# Altium PCB FINAL_PCB_FUNCTION_GEN.PcbDoc
Units mm, origin at the board's own origin, x right, y up, seen from the top; angles counter-clockwise.
Board outline 145.29 x 54.48 mm, 2 copper layers (Top Layer, Bottom Layer); 70 components, 54 nets, 222 pads, 15 vias.
Unrouted connection lines stored in the file: 1.
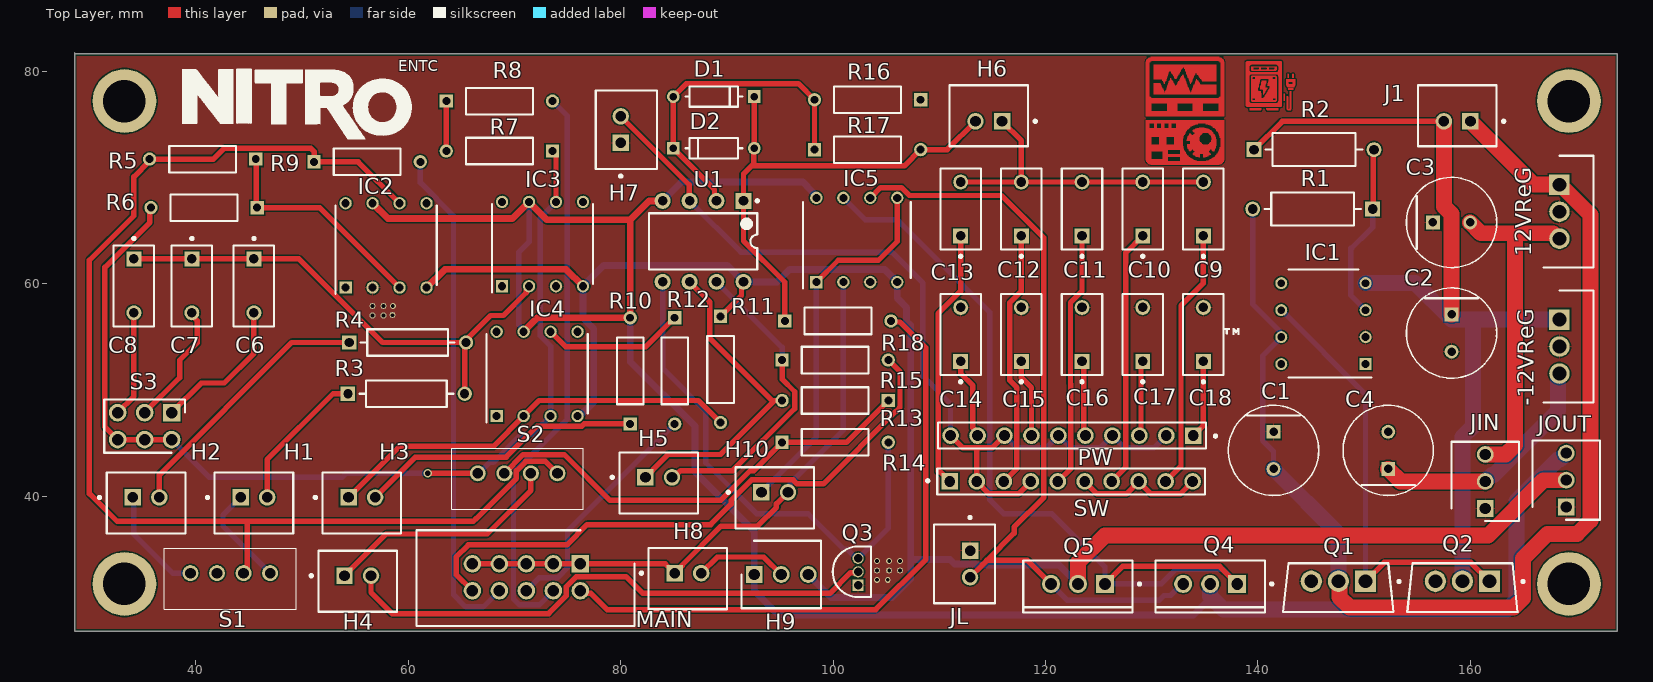
[diagram p0: Top Layer view]
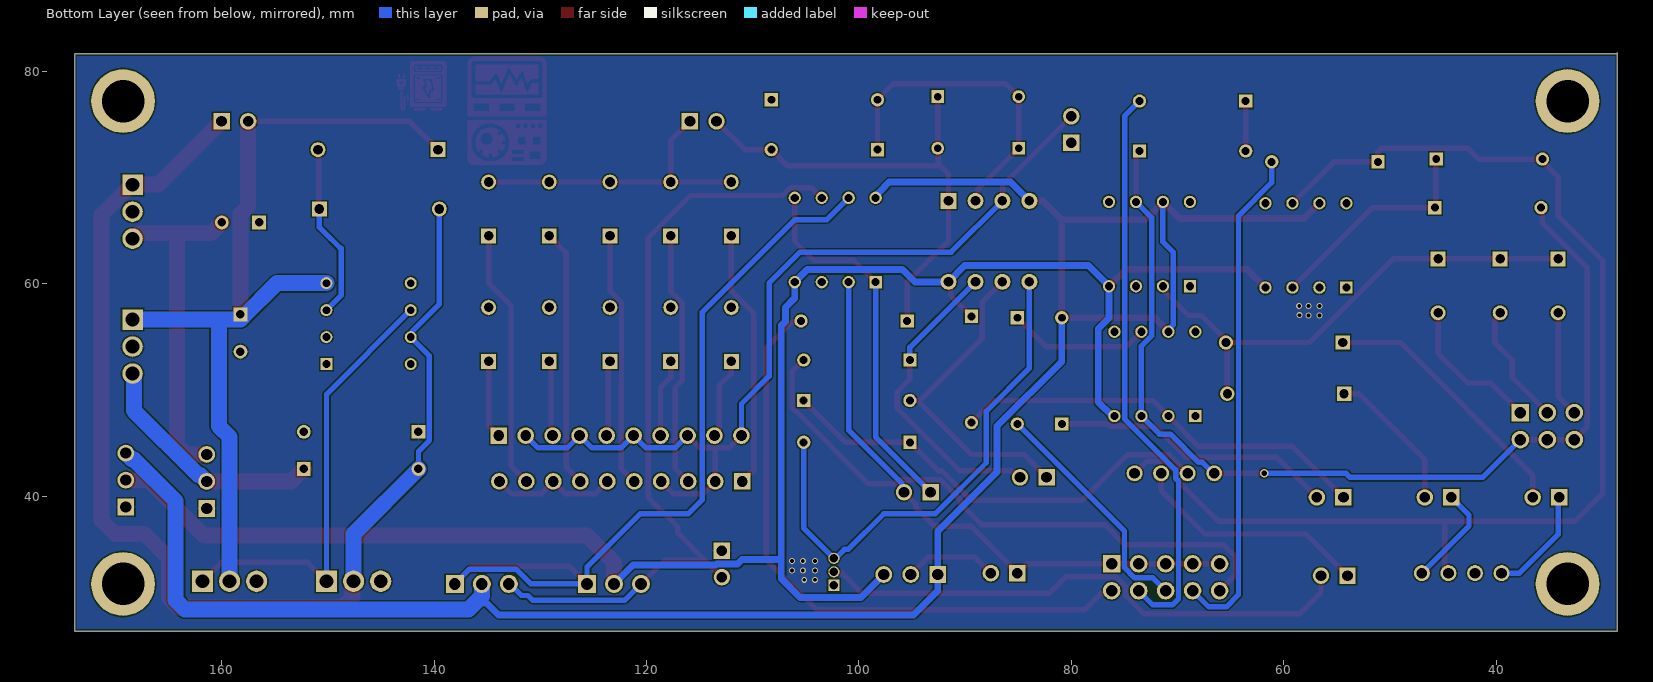
[diagram p1: Bottom Layer view, seen from below]
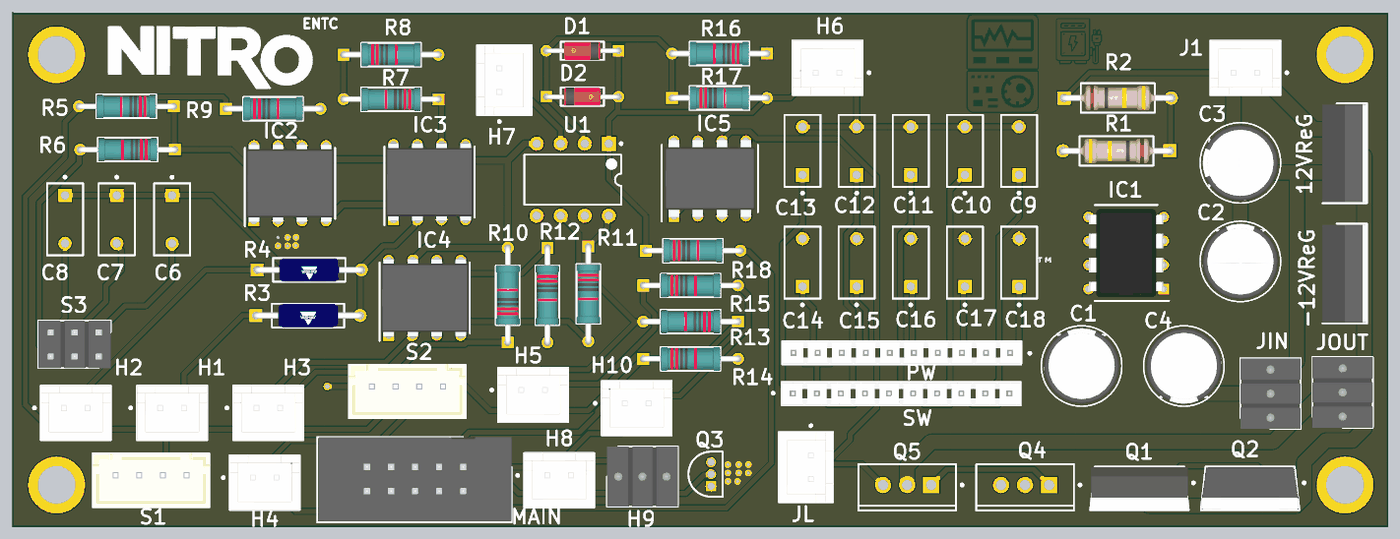
[diagram p2: 3D render of the assembled board from above, using the file's embedded part models]

## Layer stack, top to bottom
Top Solder: solder mask 0.0102, Solder Resist, Dk 3.5
Top Layer: signal copper 0.0356
Dielectric 1: dielectric 0.32, FR-4, Dk 4.8
Bottom Layer: signal copper 0.0356
Bottom Solder: solder mask 0.0102, Solder Resist, Dk 3.5

## Board outline
28.575,81.788 28.702,81.661 173.863,81.661 173.863,27.305 28.575,27.305

## Design rules (kind name [scope] priority, off if disabled: settings)
BoardOutlineClearance [All] p1: gap=0.2 ignorepadtopadclearanceinfootprint=FALSE
Clearance [All] p1: gap=0.127 ignorepadtopadclearanceinfootprint=FALSE except(0.25: Arc-Hole Track-Hole SMDPad-Hole THPad-Hole Via-Hole Fill-Hole Poly-Hole Region-Hole Text-Hole)
ComponentClearance [All] p1: gap=0.127 collisioncheckmode=3 verticalgap=0.127 showdistances=TRUE
DiffPairsRouting [All] p1: maxlimit=0.254 minlimit=0.127 mostfreqgap=0.127 toplayer_minwidth=0.127 toplayer_maxwidth=25.4 toplayer_prefwidth=0.127 bottomlayer_minwidth=0.127 bottomlayer_maxwidth=25.4 bottomlayer_prefwidth=0.127 maxuncoupledlength=12.7
Height [All] p1: minheight=0 maxheight=1816.048 prefheight=12.7
HoleSize [All] p1: absolutevalues=TRUE maxlimit=6.3 minlimit=0.3 maxpercent=80.000 minpercent=20.000
HoleToHoleClearance [All] p1: gap=0.25 allowstackedmicrovias=FALSE
MinimumAnnularRing [All] p1: minimumring=0.076
MinimumSolderMaskSliver [All] p1: minsoldermaskwidth=0
PlaneClearance [All] p1: clearance=0.127
PlaneConnect PlaneConnectPowerPads [InPadClass('PowerPads')] p1: planeconnectstyle=Direct reliefexpansion=0.508 reliefentries=4 reliefconductorwidth=0.254 reliefairgap=0.254
PlaneConnect [All] p2: pad.planeconnectstyle=Relief pad.reliefexpansion=0.3 pad.reliefentries=4 pad.reliefconductorwidth=0.127 pad.reliefairgap=0.127 via.planeconnectstyle=Direct via.reliefexpansion=0.3 via.reliefentries=4 via.reliefconductorwidth=0.127 via.reliefairgap=0.127
PolygonConnect PolygonConnectPowerPads [All vs (InPadClass('PowerPads'))] p1: connectstyle=Direct reliefconductorwidth=0.254 reliefentries=4 polygonreliefangle="90 Angle" airgapwidth=0.254
PolygonConnect [All] p2: thpad.connectstyle=Relief thpad.reliefconductorwidth=0.127 thpad.reliefentries=4 thpad.polygonreliefangle="90 Angle" thpad.airgapwidth=0.127 smdpad.connectstyle=Relief smdpad.reliefconductorwidth=0.127 smdpad.reliefentries=4 smdpad.polygonreliefangle="90 Angle" smdpad.airgapwidth=0.127 via.connectstyle=Direct via.reliefconductorwidth=0.127 via.reliefentries=4 via.polygonreliefangle="90 Angle" via.airgapwidth=0.127
RoutingVias [All] p1: holewidth=0.3 width=0.6 viastyle="Through Hole" minholewidth=0.3 minwidth=0.6 maxholewidth=0.6 maxwidth=6.6
SilkToSilkClearance [All] p1: silktosilkclearance=0
SilkToSolderMaskClearance [IsPad] p1: minsilkscreentomaskgap=0.127 clearancetoexposedcopper=TRUE
SolderMaskExpansion [All] p1: expansion=0.075 istentingtop=FALSE
Width [All] p1: maxlimit=1.5 minlimit=0.305 preferedwidth=0.508 minimp=50.000000 maximp=50.000000 favimp=50.000000
20 further rules are at their usual default settings.

## Components (designator, comment, footprint, x,y, rotation, side; value= is the part's Value field where it differs from the comment)
12VReG "LM7812CT" TO254P470X1028X1955-3P 168.402,69.342 r270 top
-12VReG "LM7812CT" TO254P470X1028X1955-3P 168.402,56.642 r270 top (schematic designator -12VReg)
C1 "EEUFR1E391L" FP-RAD-TH-D_8_0_5-L_15_1-MFG 141.478,44.323 r270 top
C2 "EEUFR1E391L" FP-RAD-TH-D_8_0_5-L_15_1-MFG 158.242,55.372 r270 top
C3 "EEUFR1E391L" FP-RAD-TH-D_8_0_5-L_15_1-MFG 158.242,65.786 r0 top
C4 "EEUFR1E391L" FP-RAD-TH-D_8_0_5-L_15_1-MFG 152.273,44.323 r90 top
C6 "1uF" KEMT-C333C105M5U5TA-2 45.466,59.817 r270 top
C7 "0.1uF" KEMT-C333C105M5U5TA-2 39.624,59.817 r270 top
C8 "0.01uF" KEMT-C333C105M5U5TA-2 34.163,59.817 r270 top
C9 "10uF" KEMT-C333C105M5U5TA-2 134.874,67.056 r90 top
C10 "1uF" KEMT-C333C105M5U5TA-2 129.159,67.056 r90 top
C11 "100nF" KEMT-C333C105M5U5TA-2 123.444,67.056 r90 top
C12 "10nF" KEMT-C333C105M5U5TA-2 117.729,67.056 r90 top
C13 "1nF" KEMT-C333C105M5U5TA-2 112.014,67.056 r90 top
C14 "10uF" KEMT-C333C105M5U5TA-2 112.014,55.245 r90 top
C15 "1uF" KEMT-C333C105M5U5TA-2 117.729,55.245 r90 top
C16 "100nF" KEMT-C333C105M5U5TA-2 123.444,55.245 r90 top
C17 "10nF" KEMT-C333C105M5U5TA-2 129.159,55.245 r90 top
C18 "1nF" KEMT-C333C105M5U5TA-2 134.874,55.245 r90 top
D1 "1N4148" FP-017AG-MFG 88.773,77.638 r180 top
D2 "1N4148" FP-017AG-MFG 88.773,72.771 r0 top
H1 "LOAD" FP-B2B-XH-A_LF_SN-MFG 45.466,39.37 r0 top
H2 "LOAD" FP-B2B-XH-A_LF_SN-MFG 35.306,39.37 r0 top
H3 "LOAD" FP-B2B-XH-A_LF_SN-MFG 55.626,39.37 r0 top
H4 "LOAD" FP-B2B-XH-A_LF_SN-MFG 55.245,32.004 r0 top
H5 "LOAD" FP-B2B-XH-A_LF_SN-MFG 83.586,41.258 r0 top
H6 "LOAD" FP-B2B-XH-A_LF_SN-MFG 114.661,75.836 r180 top
H7 "LOAD" FP-B2B-XH-A_LF_SN-MFG 80.535,74.529 r90 top
H8 "LOAD" FP-B2B-XH-A_LF_SN-MFG 86.327,32.241 r0 top
H9 "0022232031" HDRV3W87P0X254_1X3_747X635X1105P 92.583,32.639 r0 top (schematic designator JIN?)
H10 "LOAD" FP-B2B-XH-A_LF_SN-MFG 94.508,39.861 r0 top
IC1 "TL071CP" DIP794W53P254L959H508Q8N 146.177,56.261 r180 top
IC2 "AD711JN" DIP794W56P254L928H457Q8N 57.912,63.627 r90 top
IC3 "AD711JN" DIP794W56P254L928H457Q8N 72.644,63.754 r90 top
IC4 "AD711JN" DIP794W56P254L928H457Q8N 72.136,51.529 r90 top
IC5 "AD712JNZ" DIP794W56P254L959H533Q8N 102.235,64.135 r90 top
J1 "Source" FP-B2B-XH-A_LF_SN-MFG 158.77,75.836 r180 top
JIN "0022232031" HDRV3W87P0X254_1X3_747X635X1105P 161.417,38.862 r90 top
JL "LOAD" FP-B2B-XH-A_LF_SN-MFG 112.378,33.635 r270 top
JOUT "0022232031" HDRV3W87P0X254_1X3_747X635X1105P 169.037,38.989 r90 top
MAIN "61201021621" SHDR10W64P254_2X5_2036X885X925P 76.2,33.649 r180 top (schematic designator \MAIN)
PW "in 1" FP-4-644456-0-MFG 122.494,45.72 r0 top
Q1 "TIP31C" FP-TO-220-P0A0015988-MFG 147.584,31.397 r270 top
Q2 "TIP32C" FP-TO-220-P0A0015988-MFG 159.268,31.397 r270 top
Q3 "SAWTOOTH" FAIR-TO-92 102.362,31.623 r90 top
Q4 "TIP31A" ONSC-TO-220-3-221A-09 135.509,31.75 r270 top
Q5 "TIP32A" ONSC-TO-220-3-221A-09 123.063,31.75 r270 top
R1 "100K" FP-RR01-MFG 145.161,67.056 r180 top
R2 "100K" FP-RR01-MFG 145.288,72.644 r0 top
R3 "150ohm" FP-RLR07-MFG 59.817,49.657 r0 top
R4 "10K" FP-RLR07-MFG 59.944,54.483 r0 top
R5 "1K" FP-MBB0207-MFG 40.64,71.755 r180 top
R6 "150OHM" FP-MBB0207-MFG 40.767,67.183 r180 top
R7 "6.8K" FP-MBB0207-MFG 68.58,72.517 r180 top
R8 "10K" FP-MBB0207-MFG 68.58,77.216 r0 top
R9 "10K" FP-MBB0207-MFG 56.134,71.501 r0 top
R10 "10K" FP-MBB0207-MFG 80.899,51.816 r90 top
R11 "10K" FP-MBB0207-MFG 89.408,51.943 r270 top
R12 "68Kohm" FP-MBB0207-MFG 85.09,51.816 r270 top
R13 "10K" FP-MBB0207-MFG 100.203,49.022 r180 top
R14 "10K" FP-MBB0207-MFG 100.203,45.085 r0 top
R15 "10k" FP-MBB0207-MFG 100.203,52.832 r0 top
R16 "5K" FP-MBB0207-MFG 103.251,77.343 r180 top
R17 "10K" FP-MBB0207-MFG 103.251,72.644 r0 top
R18 "0.5K" FP-MBB0207-MFG 100.457,56.515 r0 top
S1 "B4B-XH-A_LF__SN_" B4BXHALFSN 46.99,32.766 r180 top
S2 "B4B-XH-A_LF__SN_" B4BXHALFSN 74.048,42.164 r180 top
S3 "HTSW-103-07-T-D" HDRV6W64P254_2X3_762X502X838P 37.719,47.879 r180 top
SW "in2" FP-4-644456-0-MFG 122.428,41.402 r180 top
U1 "TL072CP" P0008A 87.757,64.008 r270 top

## Footprints (in the part's own frame and the unit in brackets; to place one, negate y for a bottom-side part, rotate by r counter-clockwise, add the part's x,y. Pads: shape width x height; smd on the part's side, far side on the other; paste and mask are expansions set on the pad)
B4BXHALFSN [mm]
  round 1.5 hole 1: 1(0,0) 2(2.5,0) 3(5,0) 4(7.5,0)
  silkscreen extent -2.45,-2.35 9.95,3.4, body extent -2.45,-2.35 9.95,3.4, height 7.52
DIP794W53P254L959H508Q8N [mm]
  rect 1.13x1.13 hole 0.73: 1(-3.97,3.81)
  round 1.13 hole 0.73: 2(-3.97,1.27) 3(-3.97,-1.27) 4(-3.97,-3.81) 5(3.97,-3.81) 6(3.97,-1.27) 7(3.97,1.27) 8(3.97,3.81)
  silkscreen extent -4.54,-5.08 3.3,5.08, body extent -4.1,-4.64 4.1,4.64, height 4.21
DIP794W56P254L928H457Q8N [mm]
  rect 1.16x1.16 hole 0.76: 1(-3.97,3.81)
  round 1.16 hole 0.76: 2(-3.97,1.27) 3(-3.97,-1.27) 4(-3.97,-3.81) 5(3.97,-3.81) 6(3.97,-1.27) 7(3.97,1.27) 8(3.97,3.81)
  silkscreen extent -4.55,-4.76 3.74,4.76, body extent -4.11,-4.64 4.11,4.64, height 4.57
DIP794W56P254L959H533Q8N [mm]
  rect 1.16x1.16 hole 0.76: 1(-3.97,3.81)
  round 1.16 hole 0.76: 2(-3.97,1.27) 3(-3.97,-1.27) 4(-3.97,-3.81) 5(3.97,-3.81) 6(3.97,-1.27) 7(3.97,1.27) 8(3.97,3.81)
  silkscreen extent -4.55,-5.08 3.55,5.08, body extent -4.11,-4.79 4.11,4.79, height 5.33
FAIR-TO-92 [mm] "TO, 3-Leads, Body Dia 4.79mm, Pitch 1.27mm"
  rect 1.05x1.05 hole 0.8 mask+0.05: 1(0,0)
  round 1.05 hole 0.8 mask+0.05: 2(1.27,0) 3(2.54,0)
  silkscreen extent -1.11,-1.21 3.65,2.4, body extent -1.11,-1.21 3.65,2.4, height 5.33
FP-4-644456-0-MFG [mil]
  rect 61.65x61.65 hole 40 paste-39370.1 mask+0: 1(450,0)
  round 61.65 hole 40 paste-39370.1 mask+0: 2(350,0) 3(250,0) 4(150,0) 5(50,0) 6(-50,0) 7(-150,0) 8(-250,0) 9(-350,0) 10(-450,0)
  silkscreen extent -497,-48 537,48, body extent -500,-52 500,52, height 10
FP-017AG-MFG [mm]
  rect 1.2x1.2 hole 0.7 paste-1000 mask+0: 1(-3.813,0)
  round 1.2 hole 0.7 paste-1000 mask+0: 2(3.813,0)
  silkscreen extent -2.68,-0.95 2.68,0.95, body extent -4.51,-1.05 4.51,1.05, height 0.25
FP-B2B-XH-A_LF_SN-MFG [mm]
  rect 1.55x1.55 hole 1 paste-1000 mask+0: 1(-1.25,0.525)
  round 1.55 hole 1 paste-1000 mask+0: 2(1.25,0.525)
  silkscreen extent -4.5,-2.88 3.7,2.87, body extent -3.8,-2.98 3.8,2.98, height 0.25
FP-MBB0207-MFG [mm]
  rect 1.25x1.25 hole 0.75 paste-1000 mask+0: 1(-5,0)
  round 1.25 hole 0.75 paste-1000 mask+0: 2(5,0)
  silkscreen extent -3.15,-1.25 3.15,1.25, body extent -5.72,-1.35 5.72,1.35, height 0.25
FP-RAD-TH-D_8_0_5-L_15_1-MFG [mm]
  rect 1.3x1.3 hole 0.8 paste-1000 mask+0: 1(-1.75,0)
  round 1.3 hole 0.8 paste-1000 mask+0: 2(1.75,0)
  silkscreen extent -4.25,-4.25 4.25,4.25, body extent -4.35,-4.35 4.35,4.35, height 0.25
FP-RLR07-MFG [mm]
  rect 1.35x1.35 hole 0.85 paste-1000 mask+0: 1(-5.5,0)
  round 1.35 hole 0.85 paste-1000 mask+0: 2(5.5,0)
  silkscreen extent -4.42,-1.25 4.42,1.25, body extent -6.27,-1.35 6.27,1.35, height 0.25
FP-RR01-MFG [mm]
  rect 1.4x1.4 hole 0.9 paste-1000 mask+0: 1(-5.65,0)
  round 1.4 hole 0.9 paste-1000 mask+0: 2(5.65,0)
  silkscreen extent -4.55,-1.55 4.55,1.55, body extent -6.45,-1.65 6.45,1.65, height 0.25
FP-TO-220-P0A0015988-MFG [mm]
  rect 2x2 hole 1.3 paste-1000 mask+0: 1(-0.607,2.55)
  round 2 hole 1.3 paste-1000 mask+0: 2(-0.607,0) 3(-0.607,-2.55)
  silkscreen extent -2.3,-5.2 2.3,5.82, body extent -2.4,-5.3 2.4,5.3, height 0.25
HDRV3W87P0X254_1X3_747X635X1105P [mm]
  rect 1.575x1.575 hole 1.05: 1(0,0)
  round 1.575 hole 1.05: 2(2.54,0) 3(5.08,0)
  silkscreen extent -1.19,-3.17 6.27,3.17, body extent -1.19,-3.17 6.27,3.17, height 11.05
HDRV6W64P254_2X3_762X502X838P [mm]
  rect 1.65x1.65 hole 1.1: 1(0,0)
  round 1.65 hole 1.1: 2(0,2.54) 3(2.54,0) 4(2.54,2.54) 5(5.08,0) 6(5.08,2.54)
  silkscreen extent -1.27,-1.24 6.35,3.78, body extent -1.27,-1.24 6.35,3.78, height 8.38
KEMT-C333C105M5U5TA-2 [mm] "TH, 2-Leads, Body 7.62x3.81mm"
  rect 1.4x1.4 hole 0.9: 1(-2.54,0)
  round 1.4 hole 0.9: 2(2.54,0)
  silkscreen extent -4.58,-1.91 3.81,1.91, body extent -3.81,-1.91 3.81,1.91, height 9.91
ONSC-TO-220-3-221A-09 [mm] "FM, 3-Leads, Body 10.3x4.85mm, Pitch 2.54mm"
  rect 1.7x1.7 hole 1.1: 1(0,2.54)
  round 1.7 hole 1.1: 2(0,0) 3(0,-2.54)
  silkscreen extent -2.21,-5.15 2.69,5.93, body extent -2.18,-5.15 2.67,5.15, height 19.85
P0008A [mm] "DIP, 8-Leads, Body 10.15x6.6mm, Pitch 2.54mm"
  rect 1.5x1.5 hole 0.9: 1(-3.81,3.81)
  round 1.5 hole 0.9: 2(-3.81,1.27) 3(-3.81,-1.27) 4(-3.81,-3.81) 5(3.81,-3.81) 6(3.81,-1.27) 7(3.81,1.27) 8(3.81,3.81)
  silkscreen extent -3.93,-5.1 2.65,5.24, body extent -3.95,-5.07 3.95,5.07, height 5.08
SHDR10W64P254_2X5_2036X885X925P [mm]
  rect 1.65x1.65 hole 1.1: 1(0,0)
  round 1.65 hole 1.1: 2(0,2.54) 3(2.54,0) 4(2.54,2.54) 5(5.08,0) 6(5.08,2.54) 7(7.62,0) 8(7.62,2.54) 9(10.16,0) 10(10.16,2.54)
  silkscreen extent -5.1,-3.15 15.41,5.84, body extent -5.1,-3.16 15.26,5.7, height 9.25
TO254P470X1028X1955-3P [mm]
  rect 1.935x1.935 hole 1.29: 1(0,0)
  round 1.935 hole 1.29: 2(2.54,0) 3(5.08,0)
  silkscreen extent -2.73,-1.5 7.81,3.2, body extent -2.6,-1.5 7.68,3.2, height 18.66

## Part data
12VReG -12VReG: "Integrated Circuit", Manufacturer_Name="Texas Instruments", Mouser Part Number=926-LM7812CT, Datasheet Link=http://www.ti.com/lit/ds/symlink/lm7800.pdf, Height=4.7mm, Manufacturer_Part_Number=LM7812CT, Mouser Price/Stock=https://www.mouser.co.uk/ProductDetail/Texas-Instruments/LM7812CT?qs=QbsRYf82W3EQj7KGft8TFg%3D%3D
C1 C2 C3 C4: library part CMP-05427-000460-1, "Aluminum Electrolytic Capacitors (Radial Lead Type) 390uF ±20% 25V", Capacitance=390uF, Case/Package=Radial, Dielectric Material=Aluminium, ESR (Equivalent Series Resistance)=41mR, Max Operating Temperature=105°C, Min Operating Temperature=-40°C, Package Quantity=200, Ripple Current=1.24A, Tolerance=20%, Voltage=25V, Construction=RADIAL, Diameter=8mm, Height=15mm, Height - Seated (Max)=0.65inch, Impedance=41mR, Lead Diameter=0.6mm, Lead Pitch=3.5mm, Length=15mm, Life (Hours)=8000Hour, Mount="Through Hole", Number of Pins=2, Packaging=Bulk, Radiation Hardening=No, REACH SVHC="No SVHC", Ripple Current (AC)=1.24A, RoHS Compliant=Yes, Series=FR, Termination=Radial, Voltage Rating=25V, Voltage Rating (DC)=25V
C6 C10 C15: library part CMP-2000-05174-1, "Multilayer Ceramic Capacitor / Axial and Radial Leaded, 1 uF, +/- 20%, 10 to 85 degC, 2-Pin THD, RoHS, Bulk", Case Height=3.81mm, Case Length=9.91mm, Case Style=ConformallyCoated, Case Width=7.62mm, Manufacturer=Kemet, Maximum Operating Temperature=+125C, Minimum Operating Temperature=-55C, Operating Temperature Range=-55Cto+125C, Temperature Coefficient / Code=Z5U, Tolerance=20%, Voltage Rating=50V, Brand=Kemet, Capacitance=1uF, Datasheet URL=http://www.farnell.com/datasheets/706880.pdf, Datasheet Version=Jul-09, Dimensions=7.62mmWx9.91mmLx3.81mmH, Dissipation Factor DF=4, Factory Pack Quantity=250, Lead Diameter=0.51mm, Lead Spacing=5.08mm, Lead Style=InsideBend, Manufacturer URL=http://www.kemet.com/, Packaging=Bulk, Product=GeneralTypeMLCCs, Product Category=MultilayerCeramicCapacitorsMLCC-Leaded, RoHS=Details, Series=C333, Termination Style=Radial, Type=RadialLeads, Voltage Rating DC=50V
C7 C8 C9 C11 C12 C13 C14 C16 C17 C18: library part CMP-2000-05174-1, "Multilayer Ceramic Capacitor / Axial and Radial Leaded, 1 uF, +/- 20%, 10 to 85 degC, 2-Pin THD, RoHS, Bulk", Capacitance=1uF, Case Height=3.81mm, Case Length=9.91mm, Case Style=ConformallyCoated, Case Width=7.62mm, Manufacturer=Kemet, Maximum Operating Temperature=+125C, Minimum Operating Temperature=-55C, Operating Temperature Range=-55Cto+125C, Temperature Coefficient / Code=Z5U, Tolerance=20%, Voltage Rating=50V, Brand=Kemet, Datasheet URL=http://www.farnell.com/datasheets/706880.pdf, Datasheet Version=Jul-09, Dimensions=7.62mmWx9.91mmLx3.81mmH, Dissipation Factor DF=4, Factory Pack Quantity=250, Lead Diameter=0.51mm, Lead Spacing=5.08mm, Lead Style=InsideBend, Manufacturer URL=http://www.kemet.com/, Packaging=Bulk, Product=GeneralTypeMLCCs, Product Category=MultilayerCeramicCapacitorsMLCC-Leaded, RoHS=Details, Series=C333, Termination Style=Radial, Type=RadialLeads, Voltage Rating DC=50V
D1 D2: library part CMP-07163-000046-1, "DIODE GEN PURP 100V 200MA DO35", Average Rectified Current=200mA, Capacitance=4pF, Case/Package=DO-35, Current=4A, Forward Current=300mA, Forward Voltage=1V, Max Forward Surge Current (Ifsm)=1A, Max Operating Temperature=175°C, Max Power Dissipation=500mW, Max Repetitive Reverse Voltage (Vrrm)=100V, Max Reverse Current=5uA, Min Operating Temperature=-65°C, Package Quantity=2000, Contact Plating=Tin, Current Rating=200mA, Diameter=1.91mm, Element Configuration=Single, Height=4.56mm, Lead Free="Lead Free", Length=4.56mm, Max Reverse Voltage (DC)=100V, Max Surge Current=4A, Mount="Through Hole", Number of Pins=2, Output Current=200mA, Outside Diameter=1.85mm, Packaging=Bulk, Peak Non-Repetitive Surge Current=4A, Polarity=Standard, Power Dissipation=500mW, Radiation Hardening=No, REACH SVHC="No SVHC", Recovery Time=4ns, Reverse Recovery Time=4ns, Reverse Voltage=100V, Series=-, Voltage=100V, Voltage Rating (DC)=100V, Weight=0.01lb, Width=1.91mm
H1 H2 H3 H4 H5 H6 H7 H8 H10 J1 JL: library part CMP-2000-05888-3, "CONN HEADER VERT 2POS 2.5MM", Color=Natural, Contact Resistance=20mR, Current Rating=3A, Housing Color=White, Insulation Resistance=1GR, Max Operating Temperature=85°C, Max Voltage Rating (AC)=250V, Min Operating Temperature=-25°C, Connector Type="Male Pin", Contact Material=Brass, Contact Plating=Tin, Contact Type="Male Pin", Depth=5.75mm, Fastening Type=Detent, Housing Material=Polyamide, Lead Free="Lead Free", Lead Pitch=2.5mm, Length=7.4mm, Max Current Rating=3A, Max Voltage Rating (DC)=250V, Mount="Through Hole", Number of Contacts=2, Number of Positions=2, Number of Rows=1, Orientation=Straight, Packaging=Bulk, Pitch=2.5mm, REACH SVHC="No SVHC", Series=XH, Termination=Solder, Voltage Rating=250V, Voltage Rating (AC)=250V, Wire/Cable Gauge=22AWG
H9 JIN JOUT: "Connector", Manufacturer_Name=Molex, Mouser Part Number=N/A, Arrow Part Number=0022232031, Arrow Price/Stock=https://www.arrow.com/en/products/0022232031/molex?region=europe, Datasheet Link=https://www.molex.com/pdm_docs/sd/022232031_sd.pdf, Height=11.05mm, Manufacturer_Part_Number=0022232031, Mouser Price/Stock=https://www.mouser.co.uk/ProductDetail/Molex/0022232031?qs=PBcRNPEHKsqLjUBIVcYwpw%3D%3D
IC1: "Integrated Circuit", Manufacturer_Name="Texas Instruments", Mouser Part Number=595-TL071CP, Arrow Part Number=TL071CP, Arrow Price/Stock=https://www.arrow.com/en/products/tl071cp/texas-instruments?region=nac, Datasheet Link=http://www.ti.com/lit/ds/symlink/tl071a.pdf, Height=5.08mm, Manufacturer_Part_Number=TL071CP, Mouser Price/Stock=https://www.mouser.co.uk/ProductDetail/Texas-Instruments/TL071CP?qs=3FVjRv9mUZ%2FN1XJT5coqUQ%3D%3D
IC2 IC3 IC4: "Integrated Circuit", Manufacturer_Name="Analog Devices", Datasheet Link=https://www.analog.com/media/en/technical-documentation/data-sheets/AD711.pdf, Height=4.57mm, Manufacturer_Part_Number=AD711JN
IC5: "Integrated Circuit", Manufacturer_Name="Analog Devices", Mouser Part Number=584-AD712JNZ, Arrow Part Number=AD712JNZ, Arrow Price/Stock=https://www.arrow.com/en/products/ad712jnz/analog-devices?region=nac, Datasheet Link=https://datasheet.datasheetarchive.com/originals/distributors/Datasheets-1/DSA-2049.pdf, Height=5.33mm, Manufacturer_Part_Number=AD712JNZ, Mouser Price/Stock=https://www.mouser.co.uk/ProductDetail/Analog-Devices/AD712JNZ?qs=NmRFExCfTkHkv4a3jawdPw%3D%3D
MAIN: "Connector", Manufacturer_Name="Wurth Elektronik", Mouser Part Number=710-61201021621, Datasheet Link=https://datasheet.datasheetarchive.com/originals/distributors/Datasheets_SAMA/ec2d1eaddfe1dc3d07279947380a13e2.pdf, Height=9.25mm, Manufacturer_Part_Number=61201021621, Mouser Price/Stock=https://www.mouser.co.uk/ProductDetail/Wurth-Elektronik/61201021621?qs=W%252B2sBeLta1a0dwX5pxbfXw%3D%3D
PW SW: library part CMP-03369-000038-1, "CONN HEADER VERT 10POS 2.54MM", Current Rating=5A, Manufacturer="TE Connectivity", Manufacturer Part Number=4-644456-0, Temperature="-55°C to +105°C", Temperature Range High=+105°C, Temperature Range Low=-55°C, Voltage Rating=250V, Automotive=No, Category=Conn, ComponentLink2Description=Datasheet, ComponentLink2URL=https://www.te.com/commerce/DocumentDelivery/DDEController?Action=showdoc&DocId=Data+Sheet%7F82056_MTA%7F0818%7Fpdf%7FEnglish%7FENG_DS_82056_MTA_0818.pdf%7F4-644456-0, Conn Gender=Male, Conn Orientation=Vertical, Contact Material=Tin, Device Class L1=Connectors, Device Class L2="Headers and Wire Housings", Device Class L3=unset, Digikey Description="CONN HEADER VERT 10POS 2.54MM", Footprint Url=https://www.te.com/commerce/DocumentDelivery/DDEController?Action=showdoc&DocId=Customer+Drawing%7F644456%7FD2%7Fpdf%7FEnglish%7FENG_CD_644456_D2.pdf%7F4-644456-0, Height=0.408inch, Lead Free=Yes, Mouser Description="Headers & Wire Housings NARROW FLT HDR 10P Straight Post", Number of Contacts=10, Number of Rows=1, Octopart=https://octopart.com/4-644456-0-te+connectivity-39514173, Package=4-644456-0, Pitch=2.54mm, RoHS=TRUE
Q1: library part CMP-12195-000001-1, "TRANS NPN 100V 3A TO-220", Collector Base Voltage=100V, Collector Emitter Saturation Voltage=1.2V, Emitter Base Voltage=5V, Manufacturer=STMicroelectronics, Max Collector Current=3A, Max Junction Temp=+150°C, Package=TO-220-P0A0015988, Power Dissipation=2W, Temperature="to +150°C", Automotive=No, Category=Trans, Collector Emitter Voltage=100V, ComponentLink2Description=Datasheet, ComponentLink2URL=https://www.st.com/resource/en/datasheet/tip31c.pdf, Device Class L1="Discrete Semiconductors", Device Class L2=Transistors, Device Class L3=BJTs, Digikey Description="TRANS NPN 100V 3A TO-220", Height=19.68mm, Hfe Max=50, Hfe Min=10, Hfe Testic=3A, Hfe Testvce=4V, Lead Free=Yes, Manufacturer Part Number=TIP31C, Mouser Description="Bipolar Transistors - BJT NPN Gen Pur Power", Number Of Elements=1, Number Of Npn=1, Octopart=https://octopart.com/tip31c-stmicroelectronics-15555, RoHS=TRUE, Standoff Height=3.5mm, Temperature Range High=+150°C
Q2: library part CMP-12195-000005-1, "TRANS PNP 100V 3A TO-220", Collector Base Voltage=-100V, Collector Emitter Saturation Voltage=-1.2V, Emitter Base Voltage=-5V, Manufacturer=STMicroelectronics, Max Collector Current=-3A, Max Junction Temp=+150°C, Package=TO-220-P0A0015988, Power Dissipation=2W, Temperature="to +150°C", Automotive=No, Category=Trans, Collector Emitter Voltage=-100V, ComponentLink2Description=Datasheet, ComponentLink2URL=https://www.st.com/resource/en/datasheet/tip32c.pdf, Device Class L1="Discrete Semiconductors", Device Class L2=Transistors, Device Class L3=BJTs, Digikey Description="TRANS PNP 100V 3A TO-220", Height=19.68mm, Hfe Max=50, Hfe Min=10, Hfe Testic=-3A, Hfe Testvce=-4V, Lead Free=Yes, Manufacturer Part Number=TIP32C, Mouser Description="Original ST Microelectronics Transistor, 100V, 3A, .22 Ohm, TO-220 Package", Number Of Elements=1, Number Of Pnp=1, Octopart=https://octopart.com/tip32c-stmicroelectronics-353617, RoHS=TRUE, Standoff Height=3.5mm, Temperature Range High=+150°C
Q3: library part CMP-2000-04944-1, "NPN General-Purpose Amplifier, 40 V VCEO, 0.2 A, -55 to 150 degC, 2-Pin TO-92, RoHS, Bulk", Manufacturer=FairchildSemiconductor, Maximum Collector Base Voltage=60V, Maximum Collector Emitter Saturation Voltage=0.2@1mA@10mA, Maximum Collector Emitter Voltage=40V, Maximum DC Collector Current=0.2A, Maximum Operating Frequency=300(Min)MHz, Maximum Power Dissipation=625mW, Minimum DC Current Gain=40@0.1mA@1V, Operating Temperature=-55to150degC, Package=3TO-92, Package Description="3-Pin Transistor Outline Package, Body Dia 4.79 mm, Pitch 1.27 mm", Package Reference=TO-92, Category=GPBJT, Datasheet URL=https://datasheet.ciiva.com/4722/2n3904-82270-4722369.pdf, Datasheet Version="Rev. 1.1.0, 10/2014", Manufacturer URL=https://www.fairchildsemi.com/, Mounting=ThroughHole, Packaging=Bulk, Pin Count=3, Rad Hard=No, Type=NPN